# Altium PCB sugar65V2_ARGB_QMK(1).PcbDoc (part 6 of 8) (continued)
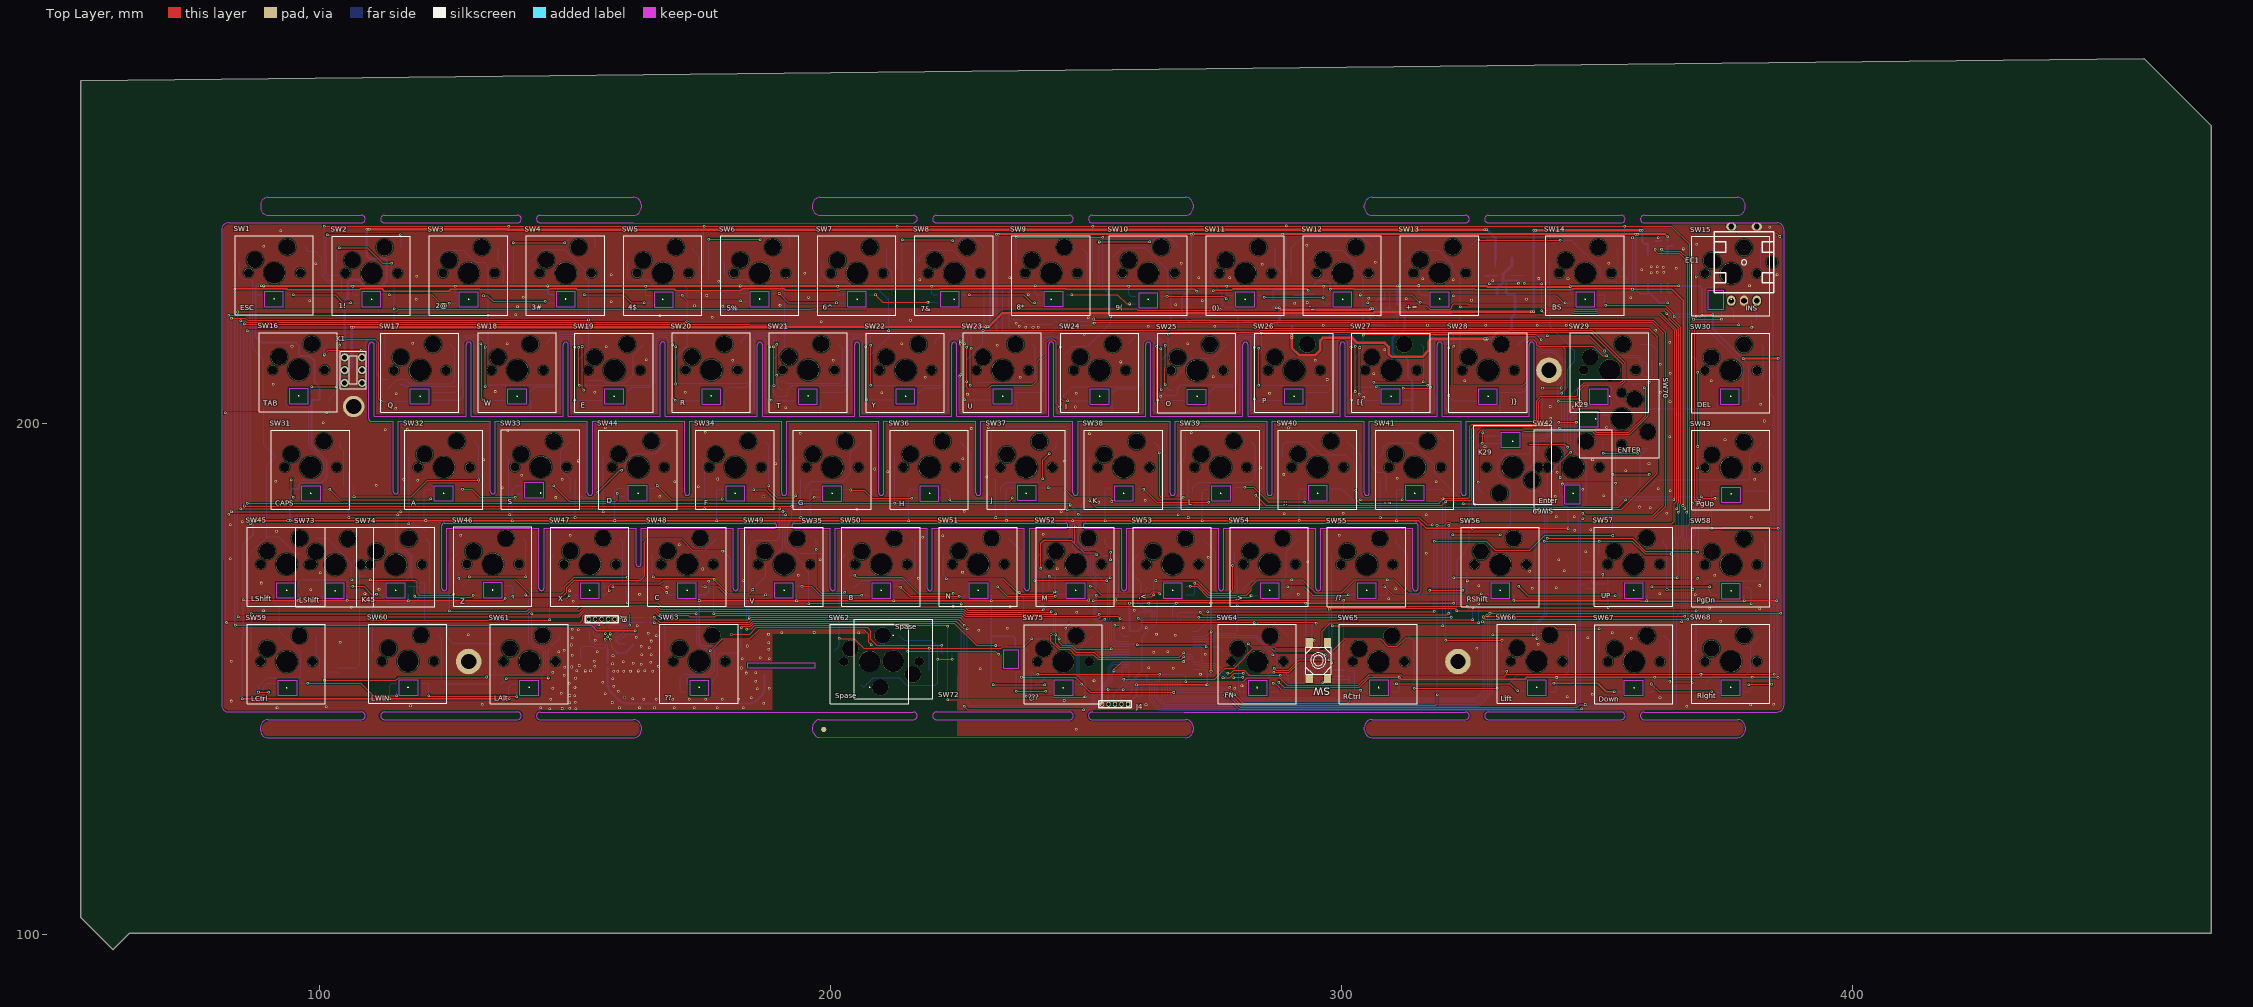
[diagram p0: Top Layer view]
## Nets (pads, with @x,y where several pads share a name; then routed paths per layer and width w, separated by ;. In a path a pad name is that pad's centre, name@x,y a point inside that pad or via, vN(x,y) a via of type N, cw(c..) or ccw(c..) an arc to the next point about the centre after c; other vN are vias at no path point) (continued)
FW_RX: J9.2 U6.9 | length 3.8
  Bottom Layer w0.18: J9.2@154.03,161.7 153.95,161.62 153.95,160.13 154.16,159.92 154.16,159 154.46,158.7 U6.9@154.98,158.7
FW_TX: J9.1 U6.8 | length 4.9
  Bottom Layer w0.18: J9.1@152.76,161.7 152.75,161.69 152.75,160.68 153.77,159.66 153.77,158.8 154.27,158.3 154.4,158.3 ; 154.512,158.3 154.4,158.3 ; U6.8@154.98,158.3 154.4,158.3
GND: C1.2 C2.2 C3.2 C4.2 C5.2 C6.2 C7.2 C8.2 C9.2 C10.2 C11.1 C12.2 C13.2 C14.2 C15.1 C16.2 C17.2 C18.2 C19.2 C20.2 C21.2 C22.2 C23.2 C24.2 C25.2 C26.2 C27.1 C28.2 C29.2 C30.1 C31.1 C32.2 C33.1 C34.1 EC1.2 EC1.5 ESD1.1 ESD2.1 ESD3.1 ESD7.1 ESD8.1 J1.1 J1.6 J1.7 J4.5 J9.5 LED1.2 LED2.2 LED3.2 LED4.2 LED5.2 LED6.2 LED7.2 LED8.2 LED9.2 LED10.2 LED11.2 LED12.2 LED13.2 LED14.2 LED15.2 LED16.2 LED17.2 LED18.2 LED19.2 LED20.2 LED21.2 LED22.2 LED23.2 LED24.2 LED25.2 LED26.2 LED27.2 LED28.2 LED29.2 LED30.2 LED31.2 LED32.2 LED33.2 LED34.2 LED35.2 LED36.2 LED37.2 LED38.2 LED39.2 LED40.2 LED41.2 LED42.2 LED43.2 LED44.2 LED45.2 LED46.2 LED47.2 LED48.2 LED49.2 LED50.2 LED51.2 LED52.2 LED53.2 LED54.2 LED55.2 LED56.2 LED57.2 LED58.2 LED59.2 LED60.2 LED61.2 LED62.2 LED63.2 LED64.2 LED65.2 LED66.2 LED68.2 LED69.2 LED70.2 LED71.2 LED72.2 LED73.2 LED76.2 pad.1@106.78,203.32 pad.1@129.27,153.42 pad.1@322.85,153.41 pad.1@340.66,210.4 pad.2@184.84,154.6 Q3.2 R1.1 R5.2 R6.2 R25.2 R27.2 R28.2 R31.2 R32.2 R37.2 TP18.1 U1.12 U1.18 U1.31 U1.47 U1.63 U2.4 U3.1 U4.3 U4.9 U5.2 VR1.1 Y1.2 Y1.4 Y2.2 Y2.4 | length 0.7
  Bottom Layer w0.2: LED73.2@176.9,147.52 LED73.2@177.38,147.04
  other v1: 248.16,140.15 145.15,144.17 147.61,144.23 150.22,144.22 149.09,144.26 143.36,144.35 182.99,144.35 91.78,144.41 158.79,144.41 162.71,144.41 165.64,144.41 169.54,144.41 173.45,144.41 177.95,144.4 101.43,144.53 367.66,144.67 117.9,144.73 261.81,144.93 380.14,144.98 384.64,145.04 131.98,145.06 187.04,145.27 149.1,145.35 157.36,145.4 150.13,145.45 82.84,145.69 245.83,145.79 145.32,146.06 163.58,146.04 166,146.04 169.23,146.04 172.46,146.04 175.7,146.04 178.93,146.04 182.16,146.04 161.36,146.12 184.54,146.32 362.38,146.33 159.77,146.38 332.09,146.53 344.26,146.55 149.08,146.77 150.04,146.75 349.11,146.99 156.04,147.15 147.36,147.19 158.54,147.57 185.72,148.06 145.74,148.16 279.16,148.22 188.12,148.23 150.08,148.34 157.63,148.6 280.59,148.67 148.97,149.18 155.53,149.33 185.42,149.55 251.64,149.67 157.47,150.01 150.18,150.18 147.94,150.71 272.47,150.97 183.62,151.17 185.43,151.25 145.77,151.3 158.46,151.49 157.64,151.52 159.63,151.51 160.94,151.5 152.09,151.57 162.43,151.57 165.26,151.55 163.69,151.6 150.47,151.64 153.12,151.64 229.35,152.04 267.11,152.1 182.6,152.15 262.32,152.18 148.06,152.33 149.41,152.35 166.34,152.48 153.98,152.5 150.91,152.64 163.06,152.86 157.42,152.95 161.46,153.05 164.94,153.28 159.52,153.4 82.82,153.49 153.86,153.51 182.83,153.96 188.09,153.99 186.36,154.17 157.52,154.56 149.52,154.66 165.03,154.71 163.11,154.74 273.44,154.84 263.36,155.2 146.92,155.31 154.42,155.31 266.09,155.33 147.99,155.65 187.97,155.83 326.51,156.02 164.61,156.08 163.06,156.42 183.78,156.46 149.38,156.65 338.56,156.83 187.98,157.06 104.15,157.22 165.04,157.43 154.06,157.54 356.78,158 348.28,158.05 149.54,158.09 162.09,158.18 165.98,158.45 267.57,158.6 129.18,158.62 187.95,158.74 263.86,158.78 164.42,158.96 353.04,159.03 205.63,159.05 190.52,159.09 196.88,159.1 229.11,159.55 150.72,159.62 149.53,159.74 234.69,159.9 257.4,160.07 261.83,160.07 162.23,160.4 374.31,161.29 159.01,162.02 248.27,163.07 89.13,163.39 259.53,163.46 381.89,163.73 372.11,163.8 106.29,164.03 235.28,164.17 149.74,165.22 309.35,165.74 369.29,166.47 162.71,166.54 291.6,166.6 108.99,166.68 362.31,166.7 149.06,167.3 98.38,167.47 111.74,167.52 310.69,167.63 337.39,167.78 342.06,167.82 168.09,167.92 326.94,168.26 381.9,168.29 88.72,168.78 183.14,169.2 217.29,169.67 193.73,170.34 373.13,170.34 100.2,170.77 225.91,170.9 336.91,171.06 343.66,171.2 175.12,171.52 244.42,171.61 293.5,172.93 342.53,173.31 198.06,173.34 82.64,173.49 274,173.84 316.61,174.6 347.86,174.86 170.5,176.24 218.13,177.75 222.06,178.04 127.77,178.14 149.14,178.14 299.59,178.13 241.71,178.31 91.68,178.95 345.7,179.07 348.87,179.22 82.64,180.15 85,180.79 380.2,181.64 345.64,181.73 342.08,181.79 316.66,182.14 288.87,182.34 300.44,182.41 363.68,182.39 245.23,182.69 226.29,182.78 205.19,183.22 360.45,183.5 358.37,183.65 252.58,184.57 261.68,184.98 146.29,185.51 186.97,185.71 166.64,185.72 341.91,185.74 351.37,185.82 364.43,186.83 347.29,187.16 362.06,187.2 135.87,187.4 174.22,187.63 111.22,187.9 318.64,188.56 169.61,188.62 91.56,188.73 119.31,188.89 147.56,189.08 380.96,189.1 116.56,189.12 177.98,189.13 311,189.24 230.67,189.54 139.68,189.88 288.77,190.01 342.27,190.43 211.3,190.51 355.65,190.75 208.72,191.09 284.26,191.31 189.39,192.08 360.23,192.11 245.81,192.57 150.72,192.66 132.19,192.88 349.18,192.91 225.95,193.06 328.14,195.43 375.1,196.82 364.32,197.41 250.76,197.98 194.17,198.05 270.63,198.14 175.53,198.31 136.91,198.56 112.95,198.76 117.28,198.88 227.65,199.01 156.04,199.13 289.69,199.13 230.94,199.17 351.92,199.21 100.81,200.17 382.76,200.48 341,200.99 115.03,202.95 191.3,203.05 345.39,203.21 248.02,203.22 340.88,203.32 382.12,203.75 364.34,204.22 304.42,205.15 264.7,205.33 226.88,205.69 115.09,205.83 248.16,205.91 285.98,205.91 210.1,206.01 362.46,206.07 171.63,206.09 153.94,206.11 134.51,206.25 91.05,207.67 324.21,208.33 372.43,208.39 297.3,208.6 237.23,209 218.62,209.02 275.01,209.18 306.39,209.77 364.37,209.82 362.44,211.55 256.87,212.03 294.95,212.33 180.91,212.37 200.64,212.37 163.99,212.5 308.54,214.41 156.16,215.01 94.71,215.15 232.73,215.32 213.99,215.57 270.02,215.59 136.8,215.62 118.38,215.66 364.32,215.86 249.77,217.48 361.51,218.21 240.75,218.83 238.24,218.85 239.7,218.85 237.03,218.98 262.24,219.04 275.27,219.06 296.45,219.21 316.89,219.2 338.39,219.19 328.25,219.22 344.02,219.23 236.38,219.61 198.28,219.88 215.73,220.16 250.49,220.67 176.91,220.82 166.65,221.06 138.47,221.28 138.83,222.88 178.98,222.97 173.47,223.04 190.2,223.15 267.62,223.26 290.9,223.48 293.37,223.67 157.2,223.84 98.18,224.04 272.78,224.03 325.5,224.13 119.06,224.28 336.26,224.29 312.71,224.4 305.37,224.49 356.62,224.57 195.77,224.65 139.98,224.68 175.84,225.04 238.78,225.18 379.89,226.94 178.21,227.84 329.68,227.95 217.52,228.09 321.9,228.08 315.96,228.3 344.38,228.31 338.67,228.36 272.17,228.48 278.22,228.5 235.12,228.52 119.12,228.8 157.14,229.11 385.28,229.11 195,229.36 360.68,229.52 361.86,229.6 363.08,229.63 358.77,230.06 365.52,230.36 363.05,230.56 361.86,230.62 360.66,230.68 284.59,231.14 99.38,231.23 268.73,231.32 352.37,231.37 306.64,231.52 366.92,234.14 89.17,234.64 293.27,234.89 369.61,235.04 92.52,237.74 383.84,238.39
GND_EARTH: 
GND_SIGNAL: 
INT: U6.12
IRQ: U6.13
LED_01: LED57.3 LED64.1 LED70.3 | length 42.4
  Top Layer w0.2: v1(88.16,147.45) v1@90.18,147.45
  Bottom Layer w0.2: v1(88.16,147.45) 88.16,148.66 89.77,150.27 96.15,150.27 96.4,150.52 96.4,155.2 92.208,159.392 92.208,164.46 ; v1(90.2,147.43) 91.33,147.43 LED64.1@91.42,147.52 ; LED70.3@91.1,166.55 91.1,164.98 91.62,164.46 92.208,164.46 ; LED57.3@100.66,166.51 100.71,166.46 100.71,164.83 100.34,164.46 92.208,164.46
LED_02: LED59.3 LED76.1 | length 122.5
  Top Layer w0.2: v1(281.85,156.92) 282.478,156.292 286.858,156.292 287.19,155.96 295.64,155.96 296.25,156.57 296.25,159.38 297.585,160.715 ; 297.72,160.85 297.585,160.715 ; v1@326.919,160.99 v1(326.908,161.001) 319.082,161.001 319.051,160.97 297.84,160.97 297.585,160.715 ; v1(326.92,164.69) 380.17,164.69 v1(380.2,164.72)
  Bottom Layer w0.2: LED59.3@281.29,147.49 280.17,147.49 279.92,147.74 279.92,153.2 281.71,154.99 281.71,155.8 ; 281.71,156.07 281.71,155.8 ; v1(281.85,156.92) 281.71,156.78 281.71,155.8 ; v1@326.919,160.99 v1@326.919,164.689 ; LED76.1@378.74,168 379.65,168 380.2,167.45 v1(380.2,164.72)
LED_03: LED31.3 LED63.1 | length 48.4
  Top Layer w0.2: v1(379.75,148.9) 379.71,148.94 v1(384.2,148.94)
  Bottom Layer w0.2: LED63.1@378.69,149.11 378.9,148.9 v1(379.75,148.9) ; LED31.3@378.75,186.86 383.03,186.86 384.15,185.74 384.15,148.99 v1(384.2,148.94)
LED_04: LED16.3 LED32.1 | length 31
  Top Layer w0.2: v1(94.6,189.02) 94.61,189.01 94.61,185.96 v1(94.98,185.59)
  Bottom Layer w0.2: LED16.3@93.62,204.55 93.62,203.62 94.1,203.14 97.72,203.14 98.02,202.84 98.02,195.5 98.88,194.64 98.995,194.525 100.95,192.57 100.95,190.18 99.79,189.02 v1(94.6,189.02) ; v1(94.98,185.59) 96,185.59 LED32.1@96.04,185.55
LED_05: LED1.3 LED18.1 | length 24.8
  Bottom Layer w0.2: LED1.3@372.55,226.66 371.62,226.66 371.27,226.31 371.27,218.87 378.67,211.47 378.67,206.19 LED18.1@378.55,206.07
LED_VCC: LED1.4 LED2.4 LED3.4 LED4.4 LED5.4 LED6.4 LED7.4 LED8.4 LED9.4 LED10.4 LED11.4 LED12.4 LED13.4 LED14.4 LED15.4 LED16.4 LED17.4 LED18.4 LED19.4 LED20.4 LED21.4 LED22.4 LED23.4 LED24.4 LED25.4 LED26.4 LED27.4 LED28.4 LED29.4 LED30.4 LED31.4 LED32.4 LED33.4 LED34.4 LED35.4 LED36.4 LED37.4 LED38.4 LED39.4 LED40.4 LED41.4 LED42.4 LED43.4 LED44.4 LED45.4 LED46.4 LED47.4 LED48.4 LED49.4 LED50.4 LED51.4 LED52.4 LED53.4 LED54.4 LED55.4 LED56.4 LED57.4 LED58.4 LED59.4 LED60.4 LED61.4 LED62.4 LED63.4 LED64.4 LED65.4 LED66.4 LED68.4 LED69.4 LED70.4 LED71.4 LED72.4 LED73.4 LED76.4 Q4.3 | length 2062.9
  Top Layer w0.2: v1@156.73,167.4 156.73,168.138 157.202,168.61 166.78,168.61 167.44,169.27 v1@176.07,169.27 ; v1(231.91,148.9) v1(242.03,148.9) ; v1(271.339,168.71) 271.419,168.63 271.876,168.63 274.086,166.42 281.47,166.42 282.37,167.32 282.37,168.13 283.66,169.42 v1(290.34,169.42) 292.39,169.42 294.98,166.83 300.07,166.83 302.66,169.42 v1(309.05,169.42) 310.37,169.42 313.07,166.72 315.15,166.72 315.635,167.205 315.635,180.505 ; v1(287.769,149.39) 287.79,149.39 288.84,148.34 303.514,148.34 305.471,150.298 306.24,150.298 ; v1@342.86,189.44 342.86,192.37 v1@344.83,194.34 ; v1(372.53,179.46) 374.6,179.46 374.61,179.47
  Top Layer w0.25: 306.24,150.298 v1@311.392,150.298 ; v1(311.36,150.33) v1@311.392,150.298 ; v1@333.8,165.3 358.549,165.3 358.604,165.245 378.795,165.245 v1(378.85,165.3) v1@385.26,165.3 ; 360.639,150.35 336.348,150.35 335.978,149.98 311.71,149.98 v1@311.392,150.298 ; 360.655,150.335 v1@380.42,150.335 ; v1(380.42,150.31) v1@385.45,150.31
  Top Layer w0.3: v1(85.01,146.15) v1@137.19,146.15 ; 85.34,165.33 136.02,165.33 v1(136.48,165.79) ; v1(87.18,180.99) 87.19,181 v1(137.82,181) v1(177.81,181) v1(215.37,181) 241.84,181 ; v1(174.4,165.36) 174.4,165.34 v1(193.43,165.34) v1(212.49,165.34) v1(231.53,165.34) v1@250.59,165.34 ; v1(225.38,209.21) 225.37,209.21 225.32,209.26 225.69,209.63 225.69,209.88 ; v1@225.47,216.22 225.47,215.3 225.69,215.08 225.69,209.88 ; v1@225.69,209.72 225.69,209.88 ; 241.98,181 v1@253.84,181 ; v1(253.869,181) v1(272.83,181) 315.139,181 315.635,180.505 316.669,179.47 v1@344.43,179.47 ; 374.61,179.47 v1@385.47,179.47
  Top Layer w0.4: v1@88.81,226.88 v1(106.61,226.88) v1(163.93,226.88) v1(219.85,226.88) v1@296.62,226.88 ; v1@296.63,226.94 298.399,226.94 ; 298.459,226.88 328.521,226.88 328.711,226.69 v1@344.809,226.69 ; 345.029,226.91 v1@365.99,226.91 ; v1(370.56,221.18) v1@372.65,221.18 ; v1@378.67,212.74 v1(385.5,212.74)
  Bottom Layer w0.2: v1@89.11,146.16 89.11,148.35 89.88,149.12 LED64.4@91.42,149.12 ; v1@106.59,226.73 106.59,225.49 106.91,225.17 LED4.4@107.8,225.17 ; v1(113.83,146.16) 113.83,148.76 114.22,149.15 LED65.4@115.12,149.15 ; v1(120.88,181.01) 120.61,181.28 120.61,186.75 121.01,187.15 LED33.4@121.96,187.15 ; LED5.4@126.66,225.3 v1(126.66,226.87) ; v1(136.48,165.79) LED56.4@136.48,166.61 ; v1@137.15,146.15 137.15,148.42 137.83,149.1 LED66.4@138.69,149.1 ; v1@137.83,181 137.83,186.92 138.71,187.8 LED34.4@139.65,187.8 ; LED30.4@141.25,204.53 141.45,204.33 141.45,202.07 ; LED55.4@155.47,166.49 156.02,166.49 v1(156.83,167.3) ; v1(157.84,181.01) 157.84,186.88 158.31,187.35 159.84,187.35 LED35.4@159.82,187.37 ; 160.23,201.92 LED29.4@160.23,204.5 ; v1@163.93,226.78 163.93,225.21 164.06,225.08 LED7.4@165.03,225.08 ; v1@177.78,181.06 177.78,186.95 177.97,187.14 LED36.4@179.05,187.14 ; 179.27,202.15 LED28.4@179.27,204.48 ; v1@182.4,226.9 182.4,225.59 182.56,225.43 LED8.4@183.79,225.43 ; v1@193.44,165.43 LED53.4@193.44,166.55 ; v1(196.16,181.01) 196.16,186.73 196.55,187.12 LED37.4@197.96,187.12 ; 198.15,202.11 LED27.4@198.15,204.48 ; v1@201.48,226.87 201.48,225.4 201.73,225.15 LED9.4@202.79,225.15 ; v1@212.49,165.48 LED52.4@212.49,166.52 ; v1(215.37,181) 215.37,186.67 215.84,187.14 216.98,187.14 LED38.4@217,187.12 ; 217.22,201.92 LED26.4@217.22,204.49 ; v1@219.86,226.88 219.86,225.48 220.17,225.17 LED10.4@221.01,225.17 ; v1(234.51,181.03) 234.51,186.99 234.94,187.42 235.9,187.42 LED39.4@236.07,187.25 ; LED25.4@236.22,204.52 236.64,204.1 236.64,201.92 ; v1@240.09,226.91 240.09,225.56 240.46,225.19 LED11.4@241.32,225.19 ; v1@242.03,149 242.19,149.16 LED58.4@243.27,149.16 ; v1(247.45,180.99) 247.45,175.74 248.282,174.908 249.017,174.908 250.47,173.455 250.47,170.49 251.665,169.295 251.665,166.815 251.37,166.52 LED50.4@250.53,166.52 ; v1(253.869,181) 253.87,187.11 254.15,187.39 LED40.4@255.02,187.39 ; 255.21,201.92 LED24.4@255.21,204.45 ; v1@258.41,226.86 258.41,225.3 258.81,224.9 LED12.4@259.85,224.9 ; LED49.4@269.55,166.52 271.22,166.52 271.37,166.67 271.37,168.679 v1(271.339,168.71) ; v1(272.83,181) 272.83,186.58 273.39,187.14 LED41.4@274.06,187.14 ; 274.2,201.92 LED23.4@274.2,204.43 ; v1(277.65,226.85) 277.65,225.51 278.03,225.13 LED13.4@278.8,225.13 ; LED59.4@286.19,147.49 287.49,147.49 287.769,147.769 v1(287.769,149.39) ; LED48.4@288.54,166.49 289.68,166.49 290.34,167.15 v1(290.34,169.42) ; v1(291.83,181.02) 291.83,186.9 292.15,187.22 LED42.4@293.02,187.22 ; 293.23,202.04 LED22.4@293.23,204.5 ; v1(296.63,226.89) 296.63,225.32 296.81,225.14 LED14.4@297.82,225.14 ; LED47.4@307.53,166.49 308.76,166.49 309.05,166.78 v1(309.05,169.42) ; LED60.4@309.91,147.51 311.16,147.51 311.38,147.73 v1@311.38,150.31 ; v1@310.85,181.02 310.85,186.9 311.08,187.13 LED43.4@312,187.13 ; v1@325.64,179.59 325.64,196.5 326.76,197.62 LED19.4@330.73,197.62 329.75,197.62 ; 331.16,202.52 LED20.4@331.16,204.47 ; LED61.4@340.77,147.51 341.91,147.51 342.17,147.77 v1(342.17,150.29) ; 342.73,186.64 342.73,189.29 v1(342.87,189.43) ; 342.74,186.64 342.74,186.24 343.31,185.67 343.31,184.104 343.574,183.84 344.27,183.84 LED44.4@344.44,183.67 v1(344.44,179.41) ; v1@344.92,194.37 344.92,201.19 345.43,201.7 LED69.4@346.04,201.7 346.04,202.58 346.56,203.1 352.5,203.1 352.9,203.5 LED68.4@352.9,204.46 ; LED62.4@359.7,147.47 360.91,147.47 361.36,147.92 v1@361.36,150.34 ; v1(372.53,179.46) 372.53,186.5 372.89,186.86 LED31.4@373.85,186.86 ; LED18.4@378.55,204.47 379.63,204.47 379.73,204.57 379.73,211.6 v1(378.63,212.7) ; LED63.4@378.69,147.51 379.76,147.51 380.41,148.16 v1@380.41,150.3
  Bottom Layer w0.25: LED46.4@333.65,166.52 333.73,166.44 v1(333.73,165.37) ; v1@359.75,165.36 LED45.4@359.75,166.49 ; v1@378.74,165.3 LED76.4@378.74,166.4
  Bottom Layer w0.254: LED51.4@231.54,166.52 231.54,149.27 v1(231.91,148.9) ; 231.59,158.39 235.79,158.39 236.24,157.94 LED72.4@236.24,157.01
  Bottom Layer w0.3: v1(85.01,146.15) 85.01,158.06 85.15,158.2 v1(85.15,165.52) ; 85.12,167.27 85.12,176.335 87.12,178.335 v1@87.12,180.93 ; v1@85.13,165.54 85.13,167.26 ; v1@87.12,180.99 v1@87.12,180.93 ; 87.55,225.12 87.59,225.16 LED3.4@88.73,225.16 LED3.4@88.7,225.19 ; v1(87.59,181.01) 87.2,181.01 v1(87.18,180.99) v1@87.12,180.93 ; v1@96,165.48 LED70.4@96,166.55 ; v1(105.56,165.37) LED57.4@105.56,166.51 ; v1@117.46,165.46 LED71.4@117.46,166.54 ; LED17.4@122.18,204.5 127.425,204.5 128.24,205.315 128.24,215.838 128.867,216.465 129.733,216.465 130.345,215.853 130.345,215.274 130.325,215.254 130.325,202.52 130.775,202.07 141.45,202.07 146.3,202.07 147.16,202.93 147.16,216.318 147.446,216.604 148.936,216.604 149.295,216.245 149.295,214.849 149.275,214.83 149.275,202.705 150.06,201.92 160.23,201.92 165.49,201.92 166.01,202.44 166.01,216.478 166.402,216.87 167.94,216.87 168.295,216.515 168.295,215.139 168.275,215.12 168.275,202.865 169.03,202.11 184.47,202.11 185.11,202.75 185.11,216.27 185.54,216.7 187.04,216.7 187.295,216.445 187.295,215.274 187.275,215.254 187.275,202.795 187.96,202.11 198.15,202.11 203.64,202.11 204.11,202.58 204.11,216.18 204.61,216.68 205.86,216.68 206.275,216.265 206.275,215.772 206.295,215.752 206.295,214.559 206.275,214.54 206.275,202.13 206.485,201.92 217.22,201.92 222.54,201.92 223.08,202.46 223.08,215.973 223.647,216.54 225.13,216.54 v1(225.45,216.22) ; v1@144.79,226.77 144.79,225.47 145.09,225.17 LED6.4@145.88,225.17 ; LED73.4@171.94,149.18 LED73.4@172,149.12 172,150.06 172.41,150.47 176.136,150.47 177.34,151.674 177.34,155.91 176.74,156.51 175.066,156.51 174.39,157.186 v1@174.39,165.36 ; LED54.4@174.39,166.46 LED54.4@174.4,166.47 ; v1(174.4,165.36) LED54.4@174.4,166.47 ; v1(176.23,169.11) 176.23,167.1 175.65,166.52 LED54.4@174.45,166.52 LED54.4@174.4,166.47 ; v1@225.29,209.26 v1(225.577,209.547) ; v1@225.38,209.17 225.275,209.065 225.275,202.525 225.88,201.92 236.64,201.92 241.45,201.92 242.16,202.63 242.16,216.17 242.54,216.55 243.454,216.55 243.54,216.464 ; LED72.4@236.24,156.37 LED72.4@236.24,157.01 ; 243.633,216.418 243.88,216.418 244.295,216.003 244.295,215.274 ; 244.275,215.254 244.275,202.395 244.75,201.92 255.21,201.92 260.695,201.92 261.255,202.48 261.255,215.898 261.804,216.447 262.697,216.447 263.295,215.849 263.295,215.019 ; v1@250.69,165.46 LED50.4@250.69,166.36 ; 263.275,215 263.275,202.585 263.94,201.92 274.2,201.92 279.46,201.92 280.15,202.61 280.15,215.998 280.802,216.65 281.93,216.65 282.275,216.305 282.275,215.772 ; 282.275,214.62 282.275,202.395 282.63,202.04 293.23,202.04 298.88,202.04 299.21,202.37 299.21,216.2 299.45,216.44 300.92,216.44 301.295,216.065 301.295,213.879 ; 282.295,214.639 282.295,215.752 ; 301.275,213.86 301.275,202.47 301.675,202.07 ; LED21.4@312.17,204.5 313.82,204.5 ; v1@315.179,226.989 315.179,225.621 315.69,225.11 LED15.4@316.85,225.11 LED15.4@316.709,225.251 ; 318.227,205.16 318.227,212.967 ; 318.23,212.97 318.23,216.2 318.478,216.448 319.698,216.448 320.295,215.852 320.295,215.117 ; 320.275,215.098 320.275,202.965 321.2,202.04 330.68,202.04 331.16,202.52 ; v1(344.849,226.73) 344.849,225.631 LED2.4@345.34,225.14 ; v1(225.45,216.22) 225.45,215.76 v1(225.47,215.74) 225.47,216.2 v1(225.45,216.22)
  Bottom Layer w0.4: v1@88.73,226.96 v1@88.69,226.92 ; v1(89.16,226.9) 89.14,226.92 v1@88.69,226.92 ; v1(93.93,181.01) 94.27,181.01 94.33,181.07 94.33,186.76 94.72,187.15 LED32.4@96.04,187.15 ; LED32.4@96.11,187.22 96.11,188.058 96.432,188.38 100.5,188.38 101.45,189.33 101.45,192.79 98.52,195.72 LED16.4@98.52,204.55 99.96,204.55 100.08,204.67 100.08,207.16 99.12,208.12 99.12,212.26 98.19,213.19 96.5,213.19 96.05,213.64 96.05,215.22 95.47,215.8 88.79,215.8 87.54,217.05 87.54,226.57 87.89,226.92 v1@88.69,226.92 ; 301.675,202.07 317.677,202.07 318.227,202.62 318.227,205.16 ; Q4.3@311.031,223.434 312.38,222.085 312.38,218.31 311.55,217.48 ; 311.472,217.46 310.72,217.46 310.07,216.81 310.07,213.7 310.73,213.04 312.4,213.04 313.11,212.33 313.11,209.08 313.91,208.28 313.91,202.14 ; v1@366.04,226.9 370.04,226.9 370.56,226.38 v1(370.56,221.18) ; LED1.4@372.71,221.6 v1(372.71,221.24) 372.71,218.56 v1@378.6,212.67 ; 385.46,179.74 v1@385.46,212.74 ; v1(385.47,150.29) 385.359,150.401 385.359,165.221 v1(385.26,165.32) 385.48,165.54 v1(385.48,179.48)
  Bottom Layer w0.6: Q4.3@311.031,223.434 311.019,223.446 v1(311.039,226.929) v1@311.481,226.929
  other v1: 137.19,146.11 89.12,146.16 361.379,150.34 359.82,165.29 117.48,165.35 95.97,165.37 250.59,165.46 325.63,179.47 310.83,181 94.35,181.05 344.89,194.34 258.42,226.86 201.5,226.87 144.78,226.9 182.41,226.9 88.7,226.92 240.11,226.93 311.49,226.93 366.01,226.93 315.18,226.99
LED_VDD: L1.2 Q4.2 R88.2 | length 3.2
  Bottom Layer w0.2: Q4.2@308.565,224.403 R88.2@308.565,225.71
  Bottom Layer w0.4: L1.2@306.87,223.99 307.283,224.403 Q4.2@308.564,224.403
MCU_RX: R40.1 U1.52 | length 115.5
  Top Layer w0.2: v1(165.58,160.98) 166.164,160.98 166.464,160.68 184.331,160.68 184.941,161.29 224.682,161.29 225.292,160.68 225.656,160.316 ; 225.556,160.416 225.656,160.316 ; v1(226.81,159.84) 226.132,159.84 225.656,160.316
  Bottom Layer w0.2: R40.1@164.6,161.07 165.49,161.07 v1(165.58,160.98) ; v1(226.81,159.84) 226.81,145.57 227.48,144.9 250.86,144.9 251.3,145.34 251.3,146.779 254.42,149.899 254.42,152.326 255.454,153.36 U1.52@258.58,153.36
MCU_TX: R39.1 U1.51 | length 116.6
  Top Layer w0.2: v1(165.62,162.09) 166.63,161.08 184.166,161.08 184.776,161.69 186.405,161.69 225.07,161.69 226.25,160.51 v1(226.25,160.5)
  Bottom Layer w0.2: R39.1@164.6,162.06 165.59,162.06 v1(165.62,162.09) ; v1(226.25,160.5) 226.25,145.564 227.314,144.5 242.02,144.5 ; 241.75,144.5 242.02,144.5 ; U1.51@258.58,152.86 255.519,152.86 254.82,152.161 254.82,149.733 251.7,146.613 251.7,145.05 251.15,144.5 242.02,144.5
MISO_0: R15.2 TP3.1 U1.22 | length 38.1
  Top Layer w0.2: v1(286.65,154.737) 296.827,154.737 v1(296.85,154.76)
  Bottom Layer w0.2: U1.22@270.98,156.86 274.47,156.86 275.8,158.19 283.197,158.19 v1(286.65,154.737) ; v1(296.85,154.76) 296.86,154.75 296.86,150.8 297.702,149.958 301.323,149.958 301.465,150.1
  Bottom Layer w0.3: R15.2@301.465,150.58 301.465,150.1 301.465,149.395 TP3.1@301.547,149.313
MOSI_0: R17.2 TP4.1 U1.23 | length 25.9
  Top Layer w0.2: v1(277.82,151.14) 278.39,151.14 278.97,151.72 281.04,151.72 282.03,150.73 v1@288.05,150.73 ; v1@287.96,150.64 v1@288.05,150.73 ; v1(288.079,150.76) v1@288.05,150.73
  Bottom Layer w0.2: U1.23@270.98,156.36 272.41,156.36 272.69,156.08 272.69,153.43 273.02,153.1 275.549,153.1 277.509,151.14 v1(277.82,151.14) ; v1(288.079,150.76) 288.079,150.681 288.38,150.38 288.38,148.52 288.877,148.023 TP4.1@288.917,147.983 290.118,147.983 R17.2@290.125,147.99
NCS: R13.2 U1.35 | length 44.3
  Top Layer w0.2: v1(279.189,146.9) 280.809,145.28 301.28,145.28 301.73,145.73 v1(301.73,147.06)
  Bottom Layer w0.2: U1.35@267.53,149.41 267.53,147.96 268.04,147.45 277.541,147.45 278.242,146.75 v1@279.039,146.75 ; R13.2@301.485,151.6 302.46,151.6 302.66,151.4 302.66,147.82 301.9,147.06 v1(301.73,147.06)
NetANT1_1: pad.1@187.18,150.77 R38.2 VR1.2 | length 39.9
  Bottom Layer w0.4: pad.1@187.18,150.53 pad.1@187.18,150.77
  Bottom Layer w0.45: R38.2@156.46,152.175 156.46,149.132 ccw(c159,149.132) 157.204,147.336 158.606,145.934 ccw(c160.402,147.73) 160.402,145.19 184.038,145.19 ccw(c184.038,147.73) 185.834,145.934 186.436,146.536 ccw(c184.64,148.332) 187.18,148.332 pad.1@187.18,150.53
NetC11_2: C11.2 R82.2 Y1.1 | length 5.7
  Bottom Layer w0.2: C11.2@259.32,171.08 259.32,170.14 Y1.1@259.791,169.669 260.081,169.669 260.88,168.87 260.88,167.65 260.88,167.508 260.88,167.05 260.285,166.455 R82.2@260.27,166.455
NetC18_1: C18.1 R18.1 U4.8 | length 2.7
  Bottom Layer w0.35: U4.8@363.858,233.09 363.86,233.092 R18.1@363.86,234.73 364.86,234.73 C18.1@364.89,234.76
NetC29_1: C29.1 U6.18 | length 2.5
  Bottom Layer w0.18: U6.18@157.98,158.3 158.67,158.3 159.93,159.56 C29.1@159.93,159.58
NetD1_1: D1.1 SW2.2 | length 32.6
  Top Layer w0.2: v1(101.57,236.95) 101.61,236.91 v1(115.86,236.91)
  Bottom Layer w0.2: v1(101.57,236.95) 101.56,236.95 101.38,236.77 101.38,229.5 101.91,228.97 103.24,228.97 103.913,228.97 104.412,228.47 D1.1@104.412,225.537 ; v1(115.86,236.91) 116.08,236.69 SW2.2@116.08,234.46 116.08,236.31
NetD1_2: D1.2 SW1.2 | length 12
  Bottom Layer w0.2: SW1.2@97.07,234.54 97.92,233.69 99.22,233.69 100.58,232.33 100.58,228.924 102.507,226.997 D1.2@102.507,225.537
NetD2_1: D2.1 SW4.2 | length 26
  Top Layer w0.2: v1(137.98,235.34) 138,235.36 v1(148.09,235.36)
  Bottom Layer w0.2: v1(137.98,235.34) 138.083,235.238 D2.1@138.083,227.647 ; v1(148.09,235.36) 149.22,236.49 153.63,236.49 154.06,236.06 SW4.2@154.06,234.51
NetD2_2: D2.2 SW3.2 | length 7.3
  Bottom Layer w0.2: SW3.2@135.11,234.5 135.11,231.78 136.178,230.713 D2.2@136.178,227.647
NetD3_1: D3.1 SW6.2 | length 25.8
  Top Layer w0.2: v1(176.29,236.04) 186.24,236.04 v1(186.33,235.95)
  Bottom Layer w0.2: D3.1@176.262,228.357 176.262,236.068 v1(176.29,236.04) ; v1(186.33,235.95) 187.17,236.79 191.46,236.79 192.06,236.19 SW6.2@192.06,234.51
NetD3_2: D3.2 SW5.2 | length 6.7
  Bottom Layer w0.2: SW5.2@173.08,234.5 173.08,233.897 174.357,232.62 D3.2@174.357,228.357
NetD4_1: D4.1 SW8.2 | length 25.3
  Top Layer w0.2: v1(214.14,235.92) 223.83,235.92 v1(224,235.75)
  Bottom Layer w0.2: D4.1@214.103,227.657 214.103,235.883 v1(214.14,235.92) ; v1(224,235.75) 225.413,235.75 226.043,236.38 228.19,236.38 SW8.2@230.09,234.48
NetD4_2: D4.2 SW7.2 | length 7.3
  Bottom Layer w0.2: SW7.2@211.07,234.48 211.07,230.68 212.198,229.552 D4.2@212.198,227.657
NetD5_1: D5.1 SW10.2 | length 25.1
  Top Layer w0.2: v1(252.62,235.51) 262.52,235.51 v1(262.54,235.53)
  Bottom Layer w0.2: D5.1@252.343,227.167 252.62,227.444 v1(252.62,235.51) ; v1(262.54,235.53) 263.163,235.53 264.033,236.4 266.18,236.4 SW10.2@268.08,234.5
NetD5_2: D5.2 SW9.2 | length 7.9
  Bottom Layer w0.2: SW9.2@249.07,234.5 250.28,233.29 250.28,227.324 D5.2@250.438,227.167
NetD6_1: D6.1 SW12.2 | length 22.7
  Bottom Layer w0.2: D6.1@290.233,229.3 290.233,234.353 292.44,236.56 304.02,236.56 SW12.2@306.08,234.5
NetD6_2: D6.2 SW11.2 | length 5.8
  Bottom Layer w0.2: SW11.2@287.07,234.49 287.07,230.82 288.328,229.562 D6.2@288.328,229.22
NetD7_1: D7.1 SW14.2 | length 8.7
  Bottom Layer w0.2: SW14.2@353.56,234.5 354.09,233.97 354.09,229.15 354.44,228.8 355.61,228.8 355.933,228.477 D7.1@355.933,227.447
NetD7_2: D7.2 SW13.2 | length 34
  Top Layer w0.2: v1(326.96,235.91) 326.89,235.84 v1(342.9,235.84)
  Bottom Layer w0.2: SW13.2@325.09,234.52 326.48,235.91 v1(326.96,235.91) ; v1(342.9,235.84) 345.05,235.84 350.65,230.24 350.65,228.74 351.58,227.81 353.664,227.81 D7.2@354.028,227.447
NetD8_1: D8.1 SW30.2 | length 7.1
  Bottom Layer w0.2: SW30.2@382.07,215.44 382.617,214.893 D8.1@382.617,208.543
NetD8_2: D8.2 SW15.2 | length 27
  Bottom Layer w0.2: SW15.2@382.08,234.42 382.08,230.51 383.775,228.815 ; 383.83,228.76 383.775,228.815 ; D8.2@384.522,208.543 384.522,228.068 383.775,228.815
NetD9_1: D9.1 SW17.2 | length 21.9
  Bottom Layer w0.2: D9.1@113.427,206.738 115.299,208.61 116.97,208.61 117.78,207.8 125.86,207.8 126.51,208.45 126.51,214.53 SW17.2@125.57,215.47
NetD9_2: D9.2 SW16.2 | length 24.1
  Top Layer w0.2: v1(101,213.4) 101,213.48 101.85,214.33 v1(108.25,214.33)
  Bottom Layer w0.2: v1(101,213.4) 101,214.75 SW16.2@101.81,215.56 SW16.2@101.73,215.56 ; v1(108.25,214.33) 108.808,214.33 109.1,214.622 109.1,215.93 109.54,216.37 111.02,216.37 111.275,216.115 111.275,209.605 112.237,208.643 D9.2@113.427,208.643
NetD10_1: D10.1 SW19.2 | length 16.5
  Bottom Layer w0.2: D10.1@152.663,208.442 155.478,208.442 155.98,207.94 159.89,207.94 161.45,209.5 161.45,213.38 SW19.2@163.56,215.49
NetD10_2: D10.2 SW18.2 | length 19.7
  Top Layer w0.2: 151.48,210.917 151.48,206.88 v1(151.823,206.537) ; 151.49,210.927 v1@151.49,215.04
  Bottom Layer w0.2: SW18.2@144.62,215.5 144.62,215.98 146.54,217.9 150.15,217.9 151.51,216.54 v1(151.51,215.06) ; v1(151.823,206.537) D10.2@152.663,206.537 D10.2@152.64,206.514